# Altium PCB LimeSDR-USB_1v4s.PcbDoc (part 1 of 10) (continued)
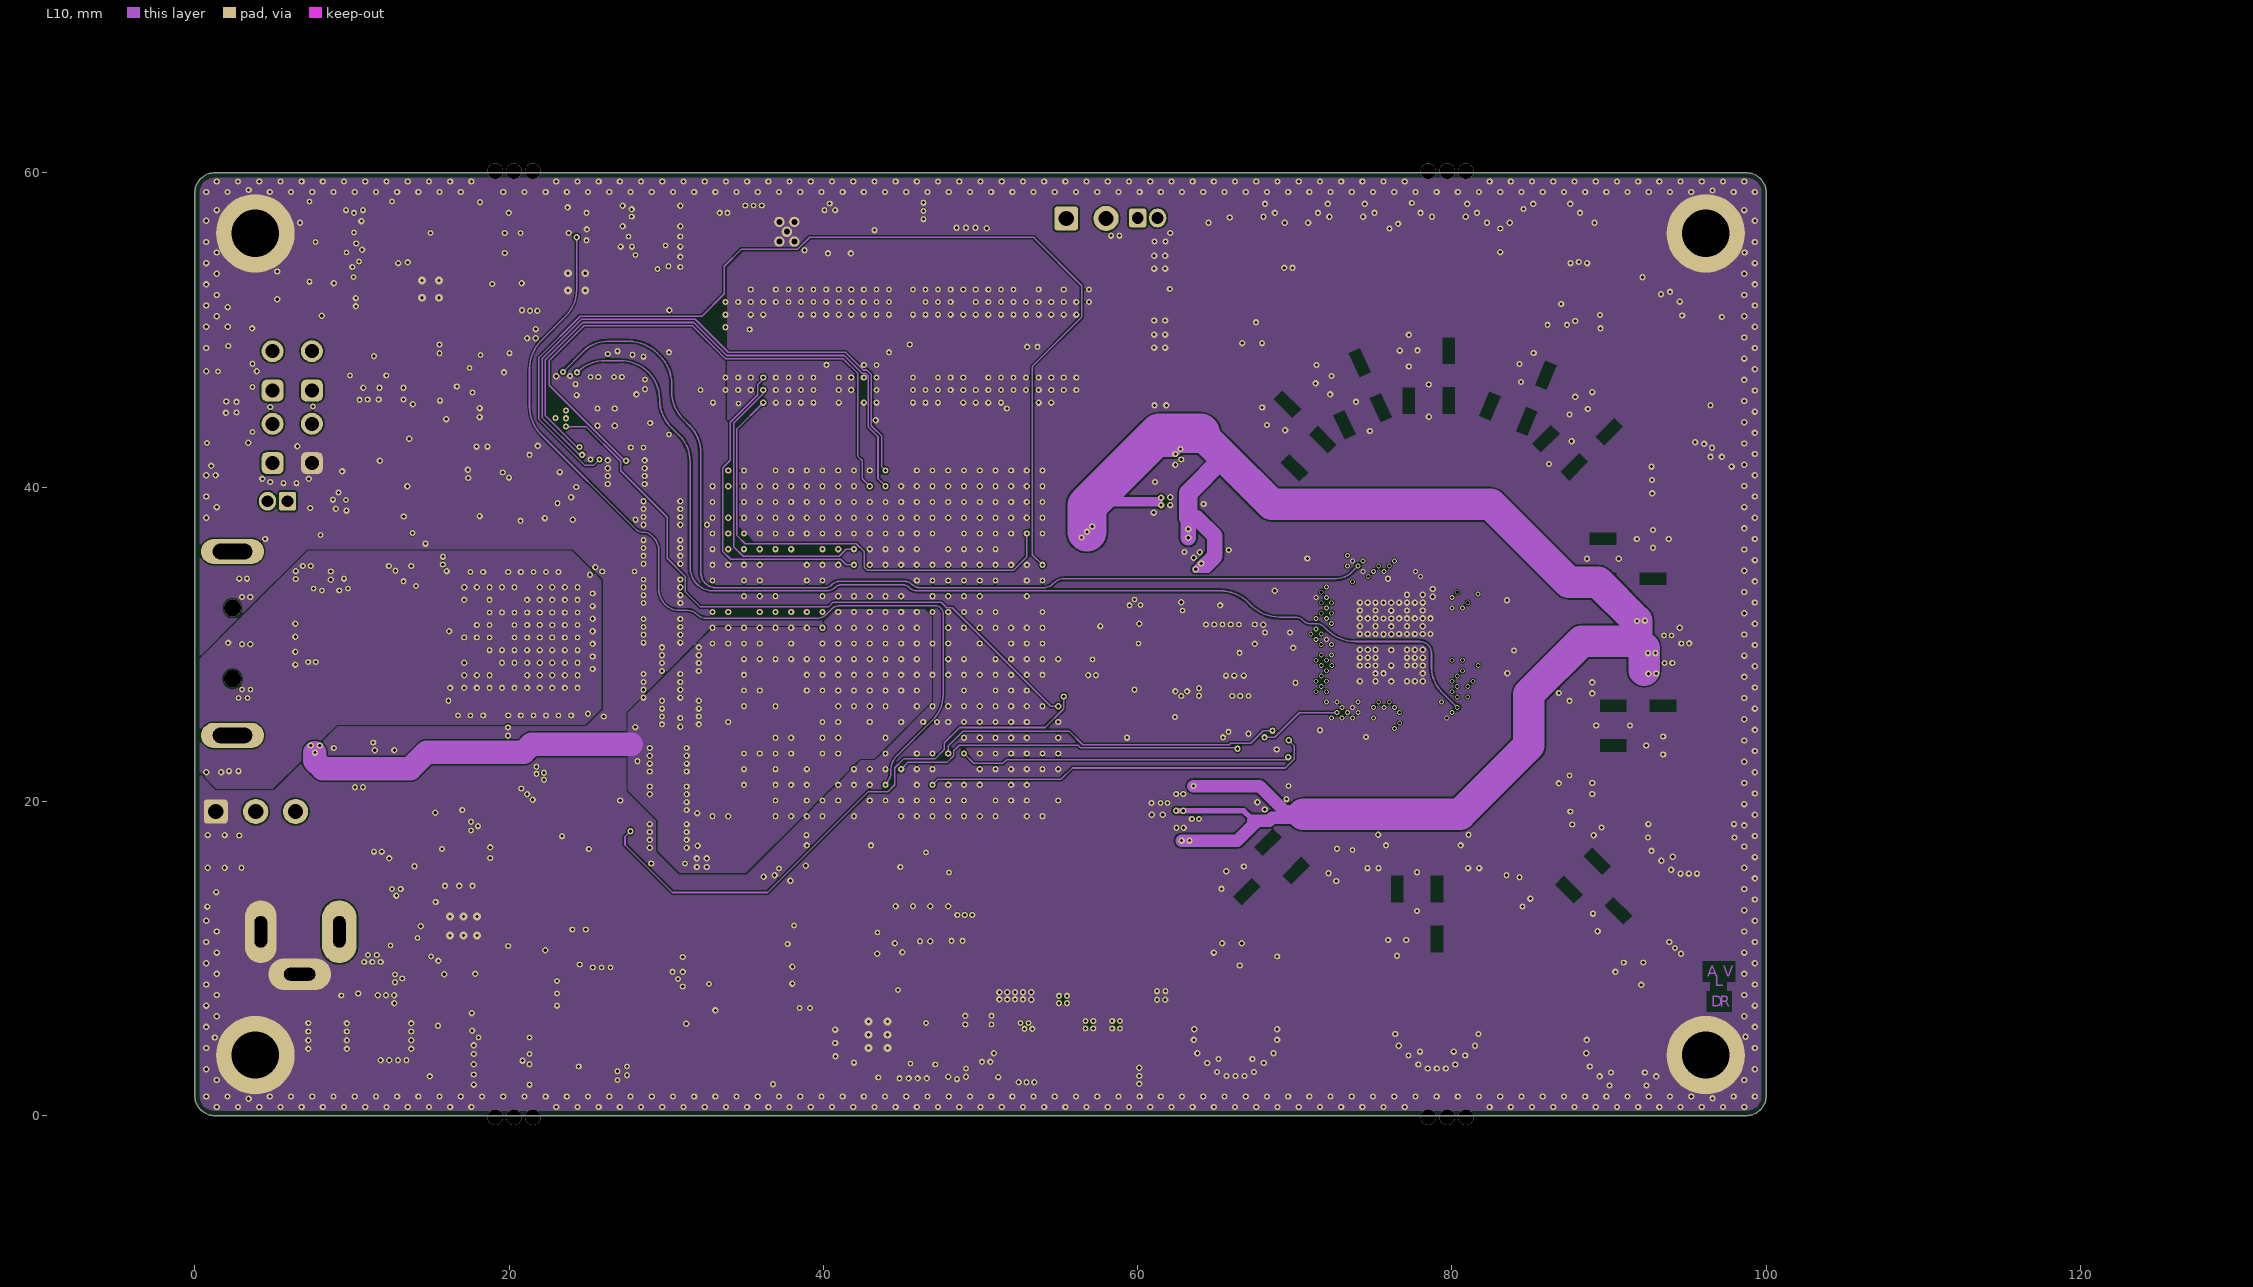
[diagram p10: L10]
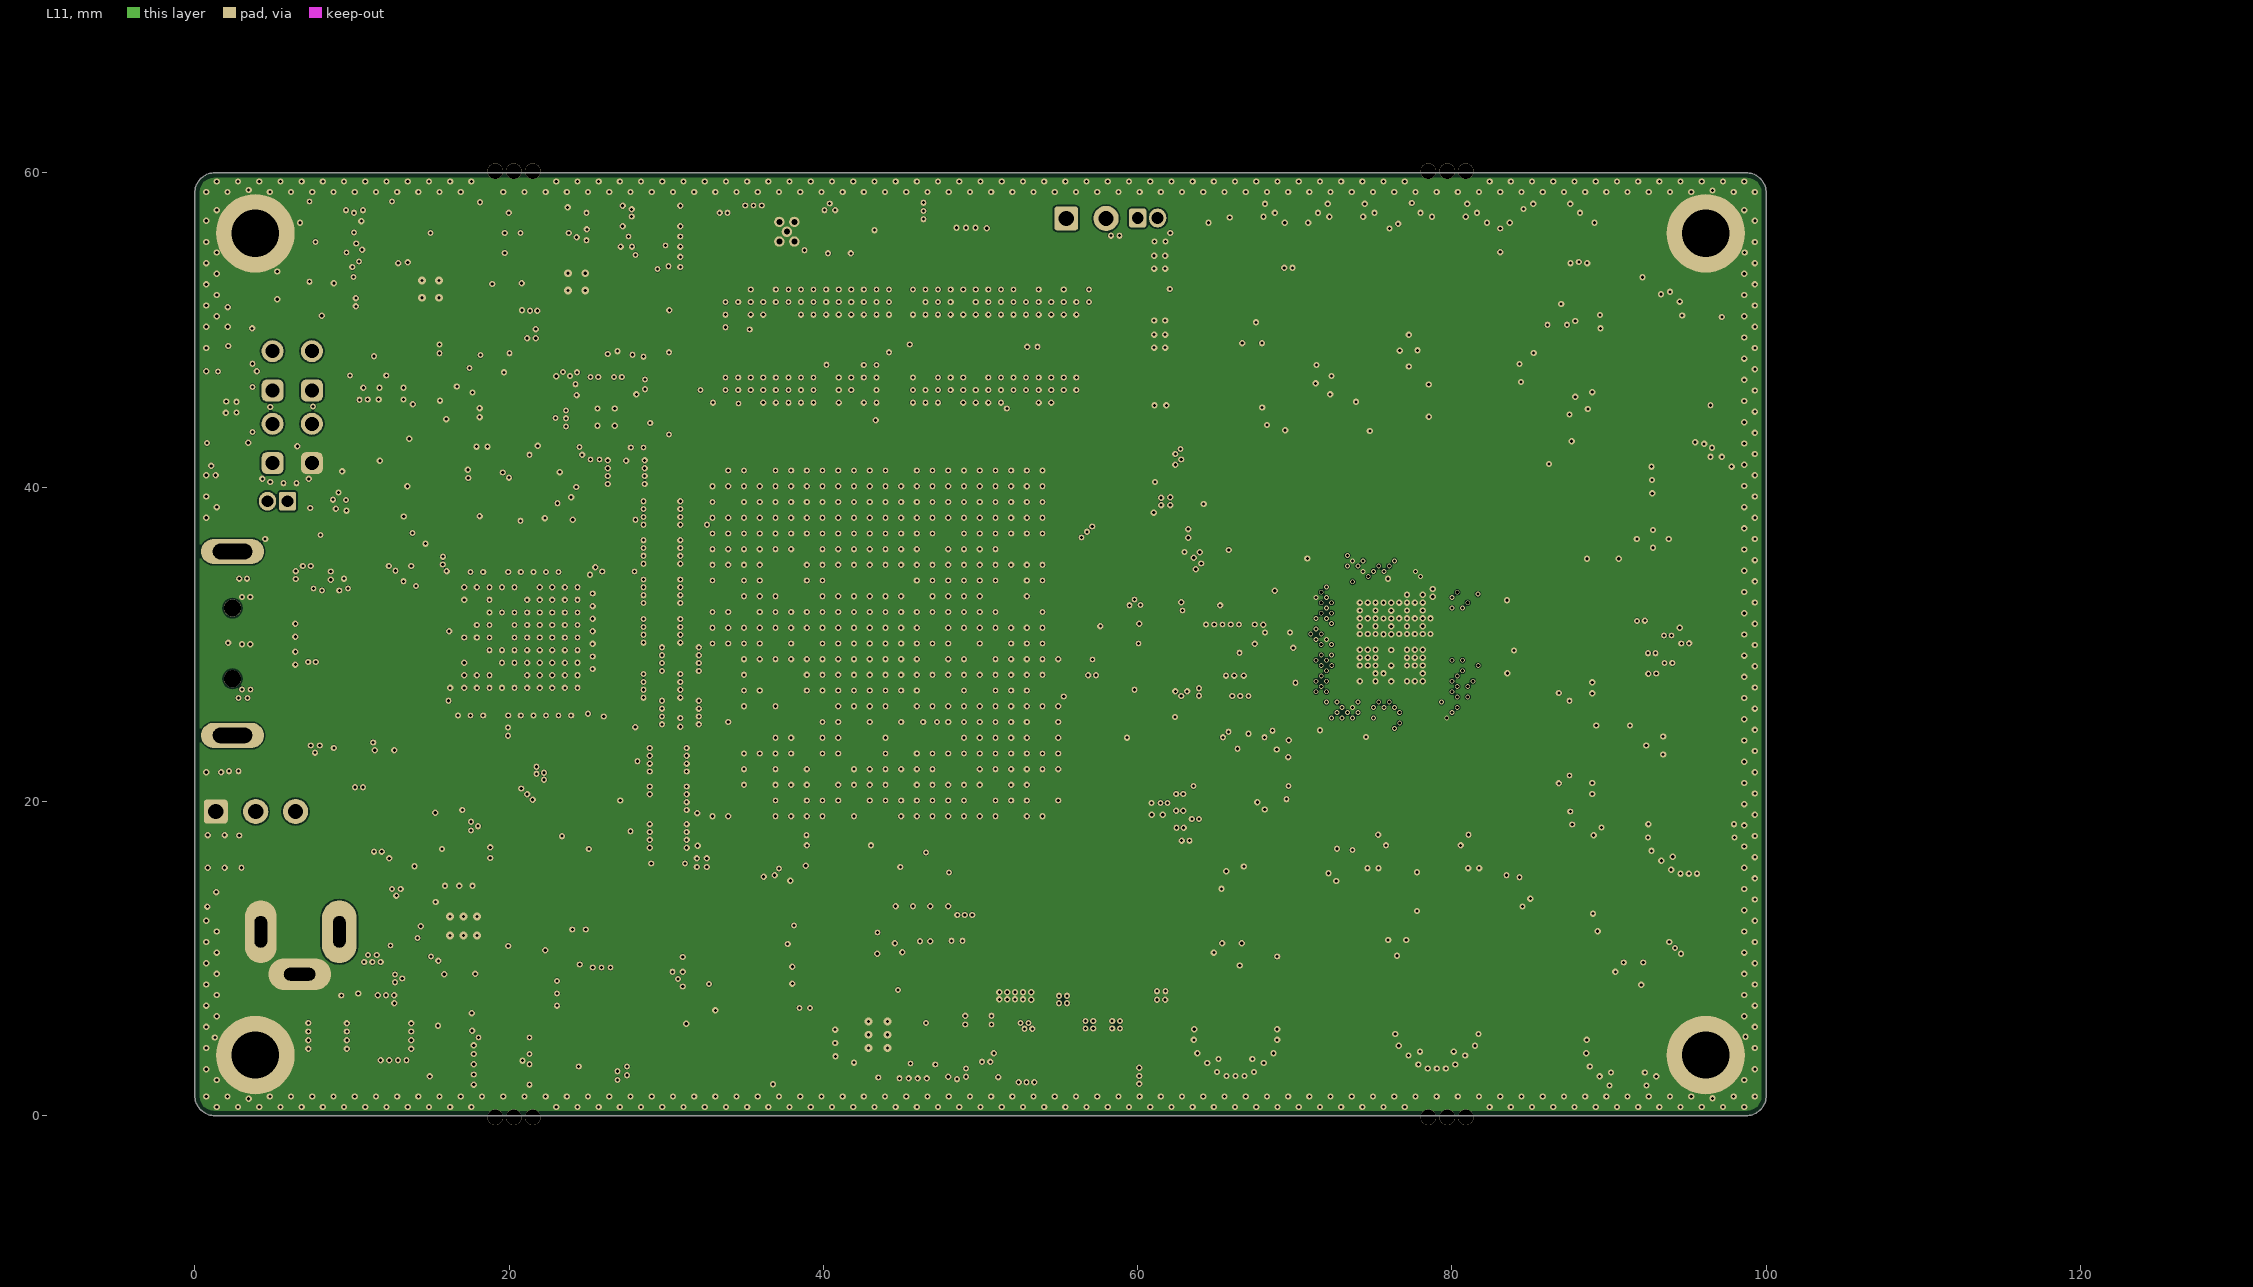
[diagram p11: L11]

## Layer stack, top to bottom
TopSolder: solder mask 0.0102, Solder Resist, Dk 3.5
Top: signal copper 0.0178
Dielectric1: core 0.17, FR-4, Dk 4.8
L2: signal copper 0.0356
Dielectric2: prepreg 0.1, FR-4, Dk 4.2
L3: signal copper 0.03
Dielectric3: core 0.1, FR-4, Dk 4.2
L4: signal copper 0.034
Dielectric 4: prepreg 0.1, Dk 4.2
L5: signal copper 0.03
Dielectric 10: core 0.09, Dk 4.2
L6: signal copper 0.03
Dielectric 11: prepreg 0.09, Dk 4.2
L7: signal copper 0.036
Dielectric 5: core 0.1, Dk 4.2
L8: signal copper 0.036
Dielectric 7: prepreg 0.1, Dk 4.2
L9: signal copper 0.03
Dielectric 6: core 0.1, Dk 4.2
L10: signal copper 0.03
Dielectric 8: prepreg 0.1, Dk 4.2
L11: signal copper 0.03
Dielectric 9: core 0.173, Dk 4.2
Bottom: signal copper 0.0178
BottomSolder: solder mask 0.0102, Solder Resist, Dk 3.5

## Board outline
0,1.27 0,58.73 cw(c1.27,58.73) 1.27,60 98.73,60 cw(c98.73,58.73) 100,58.73 100,1.27 cw(c98.73,1.27) 98.73,0 1.27,0 cw(c1.27,1.27)

## Design rules (kind name [scope] priority, off if disabled: settings)
BoardOutlineClearance [All] p1: gap=0.3
Clearance [All] p1: gap=0.1
ComponentClearance ComponentClearance_JMP1_J13 [InComponent('J17')] p1: gap=-2 collisioncheckmode=3 verticalgap=2540 showdistances=FALSE
ComponentClearance ComponentClearance_J13_J14 [InComponent('J13') vs InComponent('J14')] p2: gap=-2 collisioncheckmode=3 verticalgap=2540 showdistances=FALSE
ComponentClearance ComponentClearance_LEDS [InComponent('LEDS1') or InComponent('LEDS2') or InComponent('LED1') or InComponent('LED4') or InComponent('LED5') or InComponent('LED8') vs InComponent('LED1') or InComponent('LED4') or InComponent('LED5') or InComponent('LED8') or InComponent('LEDS1') or InComponent('LEDS2')] p3: gap=-1 collisioncheckmode=3 verticalgap=2540 showdistances=FALSE
ComponentClearance [All] p4: gap=0.01 collisioncheckmode=3 verticalgap=0.254 showdistances=FALSE
DiffPairsRouting DiffPairsRouting_DDR2_CK [InNetClass('DDR2_1_CK') or InNetClass('DDR2_1_CK')] p1: maxlimit=0.2 minlimit=0.1 mostfreqgap=0.1 toplayer_minwidth=0.1 toplayer_maxwidth=0.4 toplayer_prefwidth=0.1 midlayer1_minwidth=0.1 midlayer1_maxwidth=0.4 midlayer1_prefwidth=0.1 midlayer2_minwidth=0.1 midlayer2_maxwidth=0.4 midlayer2_prefwidth=0.1 midlayer3_minwidth=0.1 midlayer3_maxwidth=0.4 midlayer3_prefwidth=0.1 midlayer4_minwidth=0.1 midlayer4_maxwidth=0.4 midlayer4_prefwidth=0.1 midlayer5_minwidth=0.1 midlayer5_maxwidth=0.4 midlayer5_prefwidth=0.1 midlayer6_minwidth=0.1 midlayer6_maxwidth=0.4 midlayer6_prefwidth=0.1 midlayer7_minwidth=0.1 midlayer7_maxwidth=0.4 midlayer7_prefwidth=0.1 midlayer8_minwidth=0.1 midlayer8_maxwidth=0.4 midlayer8_prefwidth=0.1 midlayer9_minwidth=0.1 midlayer9_maxwidth=0.4 midlayer9_prefwidth=0.1 midlayer10_minwidth=0.1 midlayer10_maxwidth=0.4 midlayer10_prefwidth=0.1 bottomlayer_minwidth=0.1 bottomlayer_maxwidth=0.4 bottomlayer_prefwidth=0.1 maxuncoupledlength=12.7
DiffPairsRouting DiffPairsRouting_USB3 [InNetClass('FX3_DATA')] p2: maxlimit=0.3 minlimit=0.1 mostfreqgap=0.1 toplayer_minwidth=0.2 toplayer_maxwidth=0.2 toplayer_prefwidth=0.2 midlayer1_minwidth=0.2 midlayer1_maxwidth=0.2 midlayer1_prefwidth=0.2 midlayer2_minwidth=0.2 midlayer2_maxwidth=0.2 midlayer2_prefwidth=0.2 midlayer3_minwidth=0.2 midlayer3_maxwidth=0.2 midlayer3_prefwidth=0.2 midlayer4_minwidth=0.2 midlayer4_maxwidth=0.2 midlayer4_prefwidth=0.2 midlayer5_minwidth=0.2 midlayer5_maxwidth=0.2 midlayer5_prefwidth=0.2 midlayer6_minwidth=0.2 midlayer6_maxwidth=0.2 midlayer6_prefwidth=0.2 midlayer7_minwidth=0.2 midlayer7_maxwidth=0.2 midlayer7_prefwidth=0.2 midlayer8_minwidth=0.2 midlayer8_maxwidth=0.2 midlayer8_prefwidth=0.2 midlayer9_minwidth=0.2 midlayer9_maxwidth=0.2 midlayer9_prefwidth=0.2 midlayer10_minwidth=0.2 midlayer10_maxwidth=0.2 midlayer10_prefwidth=0.2 bottomlayer_minwidth=0.2 bottomlayer_maxwidth=0.2 bottomlayer_prefwidth=0.2 maxuncoupledlength=12.7
DiffPairsRouting DiffPairsRouting_USB3_XTAL [InNet('FX3_XTAL_N') or InNet('FX3_XTAL_P')] p3: maxlimit=0.2 minlimit=0.1 mostfreqgap=0.1 toplayer_minwidth=0.1 toplayer_maxwidth=0.4 toplayer_prefwidth=0.1 midlayer1_minwidth=0.1 midlayer1_maxwidth=0.4 midlayer1_prefwidth=0.1 midlayer2_minwidth=0.1 midlayer2_maxwidth=0.4 midlayer2_prefwidth=0.1 midlayer3_minwidth=0.1 midlayer3_maxwidth=0.4 midlayer3_prefwidth=0.1 midlayer4_minwidth=0.1 midlayer4_maxwidth=0.4 midlayer4_prefwidth=0.1 midlayer5_minwidth=0.1 midlayer5_maxwidth=0.4 midlayer5_prefwidth=0.1 midlayer6_minwidth=0.1 midlayer6_maxwidth=0.4 midlayer6_prefwidth=0.1 midlayer7_minwidth=0.1 midlayer7_maxwidth=0.4 midlayer7_prefwidth=0.1 midlayer8_minwidth=0.1 midlayer8_maxwidth=0.4 midlayer8_prefwidth=0.1 midlayer9_minwidth=0.1 midlayer9_maxwidth=0.4 midlayer9_prefwidth=0.1 midlayer10_minwidth=0.1 midlayer10_maxwidth=0.4 midlayer10_prefwidth=0.1 bottomlayer_minwidth=0.1 bottomlayer_maxwidth=0.4 bottomlayer_prefwidth=0.1 maxuncoupledlength=0.2
DiffPairsRouting DiffPairsRouting_TX_RF [InNetClass('TX_RF')] p4: maxlimit=0.3 minlimit=0.1 mostfreqgap=0.2 toplayer_minwidth=0.1 toplayer_maxwidth=0.3 toplayer_prefwidth=0.2 midlayer1_minwidth=0.1 midlayer1_maxwidth=0.3 midlayer1_prefwidth=0.2 midlayer2_minwidth=0.1 midlayer2_maxwidth=0.3 midlayer2_prefwidth=0.2 midlayer3_minwidth=0.1 midlayer3_maxwidth=0.3 midlayer3_prefwidth=0.2 midlayer4_minwidth=0.1 midlayer4_maxwidth=0.3 midlayer4_prefwidth=0.2 midlayer5_minwidth=0.1 midlayer5_maxwidth=0.3 midlayer5_prefwidth=0.2 midlayer6_minwidth=0.1 midlayer6_maxwidth=0.3 midlayer6_prefwidth=0.2 midlayer7_minwidth=0.1 midlayer7_maxwidth=0.3 midlayer7_prefwidth=0.2 midlayer8_minwidth=0.1 midlayer8_maxwidth=0.3 midlayer8_prefwidth=0.2 midlayer9_minwidth=0.1 midlayer9_maxwidth=0.3 midlayer9_prefwidth=0.2 midlayer10_minwidth=0.1 midlayer10_maxwidth=0.3 midlayer10_prefwidth=0.2 bottomlayer_minwidth=0.1 bottomlayer_maxwidth=0.3 bottomlayer_prefwidth=0.2 maxuncoupledlength=0.2
DiffPairsRouting DiffPairsRouting_RX_RF [InNetClass('RX_RF')] p5: maxlimit=0.3 minlimit=0.1 mostfreqgap=0.2 toplayer_minwidth=0.1 toplayer_maxwidth=0.3 toplayer_prefwidth=0.2 midlayer1_minwidth=0.1 midlayer1_maxwidth=0.3 midlayer1_prefwidth=0.2 midlayer2_minwidth=0.1 midlayer2_maxwidth=0.3 midlayer2_prefwidth=0.2 midlayer3_minwidth=0.1 midlayer3_maxwidth=0.3 midlayer3_prefwidth=0.2 midlayer4_minwidth=0.1 midlayer4_maxwidth=0.3 midlayer4_prefwidth=0.2 midlayer5_minwidth=0.1 midlayer5_maxwidth=0.3 midlayer5_prefwidth=0.2 midlayer6_minwidth=0.1 midlayer6_maxwidth=0.3 midlayer6_prefwidth=0.2 midlayer7_minwidth=0.1 midlayer7_maxwidth=0.3 midlayer7_prefwidth=0.2 midlayer8_minwidth=0.1 midlayer8_maxwidth=0.3 midlayer8_prefwidth=0.2 midlayer9_minwidth=0.1 midlayer9_maxwidth=0.3 midlayer9_prefwidth=0.2 midlayer10_minwidth=0.1 midlayer10_maxwidth=0.3 midlayer10_prefwidth=0.2 bottomlayer_minwidth=0.1 bottomlayer_maxwidth=0.3 bottomlayer_prefwidth=0.2 maxuncoupledlength=0.2
DiffPairsRouting [All] p6: maxlimit=0.3 minlimit=0.1 mostfreqgap=0.1 toplayer_minwidth=0.1 toplayer_maxwidth=0.5 toplayer_prefwidth=0.2 midlayer1_minwidth=0.1 midlayer1_maxwidth=0.5 midlayer1_prefwidth=0.2 midlayer2_minwidth=0.1 midlayer2_maxwidth=0.5 midlayer2_prefwidth=0.2 midlayer3_minwidth=0.1 midlayer3_maxwidth=0.5 midlayer3_prefwidth=0.2 midlayer4_minwidth=0.1 midlayer4_maxwidth=0.5 midlayer4_prefwidth=0.2 midlayer5_minwidth=0.1 midlayer5_maxwidth=0.5 midlayer5_prefwidth=0.2 midlayer6_minwidth=0.1 midlayer6_maxwidth=0.5 midlayer6_prefwidth=0.2 midlayer7_minwidth=0.1 midlayer7_maxwidth=0.5 midlayer7_prefwidth=0.2 midlayer8_minwidth=0.1 midlayer8_maxwidth=0.5 midlayer8_prefwidth=0.2 midlayer9_minwidth=0.1 midlayer9_maxwidth=0.5 midlayer9_prefwidth=0.2 midlayer10_minwidth=0.1 midlayer10_maxwidth=0.5 midlayer10_prefwidth=0.2 bottomlayer_minwidth=0.1 bottomlayer_maxwidth=0.5 bottomlayer_prefwidth=0.2 maxuncoupledlength=12.7
FabricationTestPointUsage TestPointUsage [All] p1: valid=0 allowmultiple=FALSE
FabricationTestpoint Testpoint [All] p1: side=3 testpointundercomponent=TRUE minsize=1.016 maxsize=2.54 preferedsize=1.524 minholesize=0.508 maxholesize=1.016 preferedholesize=0.813 testpointgrid=0.025 allowsidetop=TRUE allowsidebottom=TRUE usegrid=TRUE gridtolerance=0
Height "PCI Express, Page 84, \"Component Height Constraints\" for solder side" [OnBottomLayer] p1: minheight=0 maxheight=2.67 prefheight=2.67
Height "PCI Express, Page 84, \"Component Height Constraints\" for component side" [OnTopLayer] p2: minheight=0 maxheight=14.47 prefheight=14.47
HoleSize [All] p1: absolutevalues=TRUE maxlimit=10 minlimit=0.2 maxpercent=80.000 minpercent=20.000
HoleToHoleClearance [All] p1: gap=0.15 allowstackedmicrovias=TRUE
MatchedLengths MatchedLengths_DDR2_2_DQ [InNetClass('DDR2_2_DQ[0..15]')] p1: tolerance=0.5 checknetsindiffpair=FALSE checkdiffpairvsdiffpair=TRUE checkxsignals=TRUE checkothers=TRUE
MatchedLengths MatchedLengths_DDR2_1_DQ [InNetClass('DDR2_1_DQ[0..15]')] p2: tolerance=0.5 checknetsindiffpair=FALSE checkdiffpairvsdiffpair=TRUE checkxsignals=TRUE checkothers=TRUE
MatchedLengths MatchedLengths_DDR2_2_A [InNetClass('DDR2_2_A[0..12]')] p3: tolerance=0.5 checknetsindiffpair=FALSE checkdiffpairvsdiffpair=TRUE checkxsignals=TRUE checkothers=TRUE
MatchedLengths MatchedLengths_DDR2_1_A [InNetClass('DDR2_1_A[0..12]')] p4: tolerance=0.5 checknetsindiffpair=FALSE checkdiffpairvsdiffpair=TRUE checkxsignals=TRUE checkothers=TRUE
MatchedLengths MatchedLengths_LMS_PORT1 [InNetClass('LMS_PORT1')] p5: tolerance=1 checknetsindiffpair=FALSE checkdiffpairvsdiffpair=TRUE checkxsignals=TRUE checkothers=TRUE // tolerance increased due to MCLK being longer
MatchedLengths MatchedLengths_LMS_PORT2 [InNetClass('LMS_PORT2')] p6: tolerance=1 checknetsindiffpair=FALSE checkdiffpairvsdiffpair=TRUE checkxsignals=TRUE checkothers=TRUE // tolerance increased due to MCLK being longer
PlaneClearance [All] p1: clearance=0
PolygonConnect PolygonConnect_VCC3P3 [InNetClass('VCC3P3')] p1: connectstyle=Direct reliefconductorwidth=0.254 reliefentries=4 polygonreliefangle="90 Angle" airgapwidth=0.254
PolygonConnect PolygonConnect_GND [InNet('GND')] p2: connectstyle=Direct reliefconductorwidth=0.254 reliefentries=4 polygonreliefangle="90 Angle" airgapwidth=0.254
PolygonConnect PolygonConnect_FX3_GND [InNet('FX3_GND')] p3: connectstyle=Direct reliefconductorwidth=0.254 reliefentries=4 polygonreliefangle="90 Angle" airgapwidth=0.254
PolygonConnect PolygonConnect_VCC1P2 [InNet('VCC1P2')] p4: connectstyle=Direct reliefconductorwidth=0.254 reliefentries=4 polygonreliefangle="90 Angle" airgapwidth=0.254
PolygonConnect PolygonConnect_NetC420_2 [InNet('NetC420_2')] p5: connectstyle=Direct reliefconductorwidth=0.254 reliefentries=4 polygonreliefangle="90 Angle" airgapwidth=0.254
PolygonConnect PolygonConnect_VDIO_LMS_LMK [InNet('VDIO_LMS_LMK')] p6: connectstyle=Direct reliefconductorwidth=0.254 reliefentries=4 polygonreliefangle="90 Angle" airgapwidth=0.254
PolygonConnect PolygonConnect_VCC1P8 [InNet('VCC1P8')] p7: connectstyle=Direct reliefconductorwidth=0.254 reliefentries=4 polygonreliefangle="90 Angle" airgapwidth=0.254
PolygonConnect PolygonConnect_VCC1P8_LMS [InNet('VCC1P8_LMS')] p8: connectstyle=Direct reliefconductorwidth=0.254 reliefentries=4 polygonreliefangle="90 Angle" airgapwidth=0.254
PolygonConnect PolygonConnect_VCC1P8_FX3 [InNet('VCC1P8_FX3')] p9: connectstyle=Direct reliefconductorwidth=0.254 reliefentries=4 polygonreliefangle="90 Angle" airgapwidth=0.254
PolygonConnect PolygonConnect_+3.3V_DIG_LMK [InNet('+3.3V_DIG_LMK')] p10: connectstyle=Direct reliefconductorwidth=0.254 reliefentries=4 polygonreliefangle="90 Angle" airgapwidth=0.254
PolygonConnect PolygonConnect_VDD_FX3 [InNet('VDD_FX3')] p11: connectstyle=Direct reliefconductorwidth=0.254 reliefentries=4 polygonreliefangle="90 Angle" airgapwidth=0.254
PolygonConnect PolygonConnect_VCC3P3_FX3 [InNet('VCC3P3_FX3')] p12: connectstyle=Direct reliefconductorwidth=0.254 reliefentries=4 polygonreliefangle="90 Angle" airgapwidth=0.254
PolygonConnect PolygonConnect_VCC_INT [InNet('VCC_INT')] p13: connectstyle=Direct reliefconductorwidth=0.254 reliefentries=4 polygonreliefangle="90 Angle" airgapwidth=0.254
PolygonConnect PolygonConnect_VCC_EXT [InNet('VCC_EXT')] p14: connectstyle=Direct reliefconductorwidth=0.254 reliefentries=4 polygonreliefangle="90 Angle" airgapwidth=0.254
PolygonConnect PolygonConnect_NETJ17_1 [InNet('NetJ17_1')] p15: connectstyle=Direct reliefconductorwidth=0.254 reliefentries=4 polygonreliefangle="90 Angle" airgapwidth=0.254
PolygonConnect PolygonConnect_NETJ15 [InNet('NetJ15_1')] p16: connectstyle=Direct reliefconductorwidth=0.254 reliefentries=4 polygonreliefangle="90 Angle" airgapwidth=0.254
PolygonConnect PolygonConnect_NETJ16 [InNet('NetJ16_2')] p17: connectstyle=Direct reliefconductorwidth=0.254 reliefentries=4 polygonreliefangle="90 Angle" airgapwidth=0.254
PolygonConnect PolygonConnect_VREF_DDR [InNet('VREF_DDR2')] p18: connectstyle=Direct reliefconductorwidth=0.254 reliefentries=4 polygonreliefangle="90 Angle" airgapwidth=0.254
PolygonConnect PolygonConnect_VDIO_LMS_FPGA [InNet('VDIO_LMS_FPGA')] p19: connectstyle=Direct reliefconductorwidth=0.254 reliefentries=4 polygonreliefangle="90 Angle" airgapwidth=0.254
PolygonConnect PolygonConnect_VCC1P8_DDR2 [InNetClass('VCC1P8_DDR2')] p20: connectstyle=Direct reliefconductorwidth=0.254 reliefentries=4 polygonreliefangle="90 Angle" airgapwidth=0.254
PolygonConnect PolygonConnect_VCC2P5 [InNet('VCC2P5')] p21: connectstyle=Direct reliefconductorwidth=0.254 reliefentries=4 polygonreliefangle="90 Angle" airgapwidth=0.254
PolygonConnect PolygonConnect_VCC5P0_USB [InNetClass('VCC5P0_USB')] p22: connectstyle=Direct reliefconductorwidth=0.254 reliefentries=4 polygonreliefangle="90 Angle" airgapwidth=0.254
PolygonConnect PolygonConnect_VCC5P0 [InNetClass('VCC5P0')] p23: connectstyle=Direct reliefconductorwidth=0.254 reliefentries=4 polygonreliefangle="90 Angle" airgapwidth=0.254
PolygonConnect PolygonConnect_netC237_1 [InNet('NetC373_1')] p24: connectstyle=Direct reliefconductorwidth=0.254 reliefentries=4 polygonreliefangle="90 Angle" airgapwidth=0.254
PolygonConnect [All] p25: connectstyle=Relief reliefconductorwidth=0.254 reliefentries=4 polygonreliefangle="90 Angle" airgapwidth=0.254
RoutingVias [All] p1: holewidth=0.2 width=0.4 viastyle="Through Hole" minholewidth=0.2 minwidth=0.31 maxholewidth=4.5 maxwidth=5
SilkToSilkClearance [All] p1: silktosilkclearance=0.1
SilkToSolderMaskClearance SilkscreenOverComponentPads [IsPad] p1: minsilkscreentomaskgap=0.254 clearancetoexposedcopper=TRUE
SolderMaskExpansion [All] p1: expansion=0.05
Width Width_ClumsyConnection [All] p1: maxlimit=7 minlimit=0.1 preferedwidth=0.2 checkconnectedcopper=TRUE
Width [All] p2: maxlimit=5 minlimit=0.1 preferedwidth=0.2
20 further rules are at their usual default settings.

## Classes and differential pairs
component class 09_FPGA_banks_5_6_7_8: R48 R49 R50
component class 06_LMS7002M_RF2: C24 C25 C26 C27 C28 C29 C30 C31 C32 C33 C34 C35 C36 C37 C38 C39 C40 C41 C42 C43 IC6 IC7 J6 J7 J8 J9 J10 MN29 MN30 MN31 MN32 MN33 MN34 MN35 MN36 MN37 MN38 MN39 MN40 MN41 MN42 MN43 MN44 MN45 MN46 MN47 MN48 MN49 MN50 MN51 MN52 MN53 MN54 MN55 MN56 R18 R19 R20 R21 RA5 RA6 RA7 RA8 T6 T7 T8 T9 T10 VT4 VT5 VT6
net class VTT_DDR2: VTT_DDR2
net class VDD_FX3: VDD_FX3
net class VCC3P3_FX3: VCC3P3_FX3
net class VCC1P8_FX3: VCC1P8_FX3
net class +1.8V_DIG_LMK: +1.8V_DIG_LMK
net class VCC_EXT: VCC_EXT
net class SI_CLK: SI_CLK0 SI_CLK1 SI_CLK2 SI_CLK3 SI_CLK4 SI_CLK5 SI_CLK6 SI_CLK7
net class FPGA_CONFIG: EXP_CONF_DONE EXP_NCONFIG EXP_NSTATUS FPGA_CONF_DONE FPGA_NCONFIG FPGA_NSTATUS
net class DDR2_2_DQS[0..1]: DDR2_2_DQS0 DDR2_2_DQS1
net class DDR2_2_DQ[0..15]: DDR2_2_DQ0 DDR2_2_DQ1 DDR2_2_DQ2 DDR2_2_DQ3 DDR2_2_DQ4 DDR2_2_DQ5 DDR2_2_DQ6 DDR2_2_DQ7 DDR2_2_DQ8 DDR2_2_DQ9 DDR2_2_DQ10 DDR2_2_DQ11 DDR2_2_DQ12 DDR2_2_DQ13 DDR2_2_DQ14 DDR2_2_DQ15
net class DDR2_2_DM[0..1]: DDR2_2_DM0 DDR2_2_DM1
net class DDR2_2_BA[0..2]: DDR2_2_BA0 DDR2_2_BA1 DDR2_2_BA2
net class DDR2_2_A[0..12]: DDR2_2_A0 DDR2_2_A1 DDR2_2_A2 DDR2_2_A3 DDR2_2_A4 DDR2_2_A5 DDR2_2_A6 DDR2_2_A7 DDR2_2_A8 DDR2_2_A9 DDR2_2_A10 DDR2_2_A11 DDR2_2_A12
net class DDR2_1_DQS[0..1]: DDR2_1_DQS0 DDR2_1_DQS1
net class DDR2_1_DQ[0..15]: DDR2_1_DQ0 DDR2_1_DQ1 DDR2_1_DQ2 DDR2_1_DQ3 DDR2_1_DQ4 DDR2_1_DQ5 DDR2_1_DQ6 DDR2_1_DQ7 DDR2_1_DQ8 DDR2_1_DQ9 DDR2_1_DQ10 DDR2_1_DQ11 DDR2_1_DQ12 DDR2_1_DQ13 DDR2_1_DQ14 DDR2_1_DQ15
net class DDR2_1_DM[0..1]: DDR2_1_DM0 DDR2_1_DM1
net class DDR2_1_CK: DDR2_1_CLK_N DDR2_1_CLK_P DDR2_2_CLK_N DDR2_2_CLK_P
net class DDR2_1_BA[0..2]: DDR2_1_BA0 DDR2_1_BA1 DDR2_1_BA2
net class DDR2_1_A[0..12]: DDR2_1_A0 DDR2_1_A1 DDR2_1_A2 DDR2_1_A3 DDR2_1_A4 DDR2_1_A5 DDR2_1_A6 DDR2_1_A7 DDR2_1_A8 DDR2_1_A9 DDR2_1_A10 DDR2_1_A11 DDR2_1_A12
component class 13_USB3_0_power: C283 C284 C285 C286 C287 C288 C289 C290 C291 C292 C293 C294 C295 C296 C297 C298 C299 C300 C301 C302 C303 C304 C305 C306 C307 C308 C309 C310 C311 C312 C313 C314 C315 C316 C317 C318 C319 C320 FR40 FR41 FR42 FR43 FR44 FR45 FR46 FR47 FR48
net class FX3_DQ: FX3_DQ0 FX3_DQ1 FX3_DQ2 FX3_DQ3 FX3_DQ4 FX3_DQ5 FX3_DQ6 FX3_DQ7 FX3_DQ8 FX3_DQ9 FX3_DQ10 FX3_DQ11 FX3_DQ12 FX3_DQ13 FX3_DQ14 FX3_DQ15 FX3_DQ16 FX3_DQ17 FX3_DQ18 FX3_DQ19 FX3_DQ20 FX3_DQ21 FX3_DQ22 FX3_DQ23 FX3_DQ24 FX3_DQ25 FX3_DQ26 FX3_DQ27 FX3_DQ28 FX3_DQ29 FX3_DQ30 FX3_DQ31 FX3_PCLK
net class FX3_CTL: FX3_CTL0 FX3_CTL1 FX3_CTL2 FX3_CTL3 FX3_CTL4 FX3_CTL5 FX3_CTL6 FX3_CTL7 FX3_CTL8 FX3_CTL9 FX3_CTL10 FX3_CTL11 FX3_CTL12
component class 10_FPGA_misc: C115 C116 C117 C118 C119 C120 C121 C122 C123 C124 C125 C126 C127 C128 C129 C130 C131 C132 C133 C134 C135 C136 C137 C138 C139 C140 C141 C142 C143 C144 C145 C146 C147 C148 C149 C150 C151 C152 C153 C154 C155 C156 C157 C158 C159 C160 C161 C162 C163 C164 C165 C166 C167 C168 C169 C170 C171 C172 C173 C174 C175 C176 C177 C178 C179 C180 C181 C182 C183 C184 C185 C186 C187 C188 C189 C190 C191 C192 C193 C194 C195 C196 C197 C198 C199 C200 C201 C202 C203 C204 C205 C206 C207 C208 C209 C210 C211 C212 C213 C214 C215 C216 C217 C218 C219 C220 FR36 FR37 IC9 IC10 J11 J12 J13 J14 R51 R52 R53 R54 R55 R56 R57 R58 R59 R60 R61 R62 R63 R64 R65 R66 R67 R68 R69 R70 R71 R72 R73 R74 VT7
net class FPGA_DDR1_DQ: DDR2_2_DQ0 DDR2_2_DQ1 DDR2_2_DQ2 DDR2_2_DQ3 DDR2_2_DQ4 DDR2_2_DQ5 DDR2_2_DQ6 DDR2_2_DQ7 DDR2_2_DQ8 DDR2_2_DQ9 DDR2_2_DQ10 DDR2_2_DQ11 DDR2_2_DQ12 DDR2_2_DQ13 DDR2_2_DQ14 DDR2_2_DQ15
net class FPGA_DDR1_CTRL: DDR2_2_CASN DDR2_2_CKE DDR2_2_CSN DDR2_2_DM0 DDR2_2_DM1 DDR2_2_DQS0 DDR2_2_DQS0N DDR2_2_DQS1 DDR2_2_DQS1N DDR2_2_ODT DDR2_2_RASN DDR2_2_WEN VREF_DDR2
net class FPGA_DDR1_BA: DDR2_2_BA0 DDR2_2_BA1 DDR2_2_BA2
net class FPGA_DDR1_A: DDR2_2_A0 DDR2_2_A1 DDR2_2_A2 DDR2_2_A3 DDR2_2_A4 DDR2_2_A5 DDR2_2_A6 DDR2_2_A7 DDR2_2_A8 DDR2_2_A9 DDR2_2_A10 DDR2_2_A11 DDR2_2_A12
net class FPGA_DDR0_DQ: DDR2_1_DQ0 DDR2_1_DQ1 DDR2_1_DQ2 DDR2_1_DQ3 DDR2_1_DQ4 DDR2_1_DQ5 DDR2_1_DQ6 DDR2_1_DQ7 DDR2_1_DQ8 DDR2_1_DQ9 DDR2_1_DQ10 DDR2_1_DQ11 DDR2_1_DQ12 DDR2_1_DQ13 DDR2_1_DQ14 DDR2_1_DQ15
net class FPGA_DDR0_CTRL: DDR2_1_CASN DDR2_1_CKE DDR2_1_CSN DDR2_1_DM0 DDR2_1_DM1 DDR2_1_DQS0 DDR2_1_DQS0N DDR2_1_DQS1 DDR2_1_DQS1N DDR2_1_ODT DDR2_1_RASN DDR2_1_WEN VREF_DDR2